# Altium PCB Tigershark 3D R2.2.PcbDoc (part 4 of 4)
Units mil, origin at the board's own origin, x right, y up, seen from the top; angles counter-clockwise.
Board outline 4100 x 4050 mil, 4 copper layers (Top Layer, Groun Plane, Power Plane, Bottom Layer), stack 61.73 mil thick; 356 components, 244 nets, 1149 pads, 846 vias.
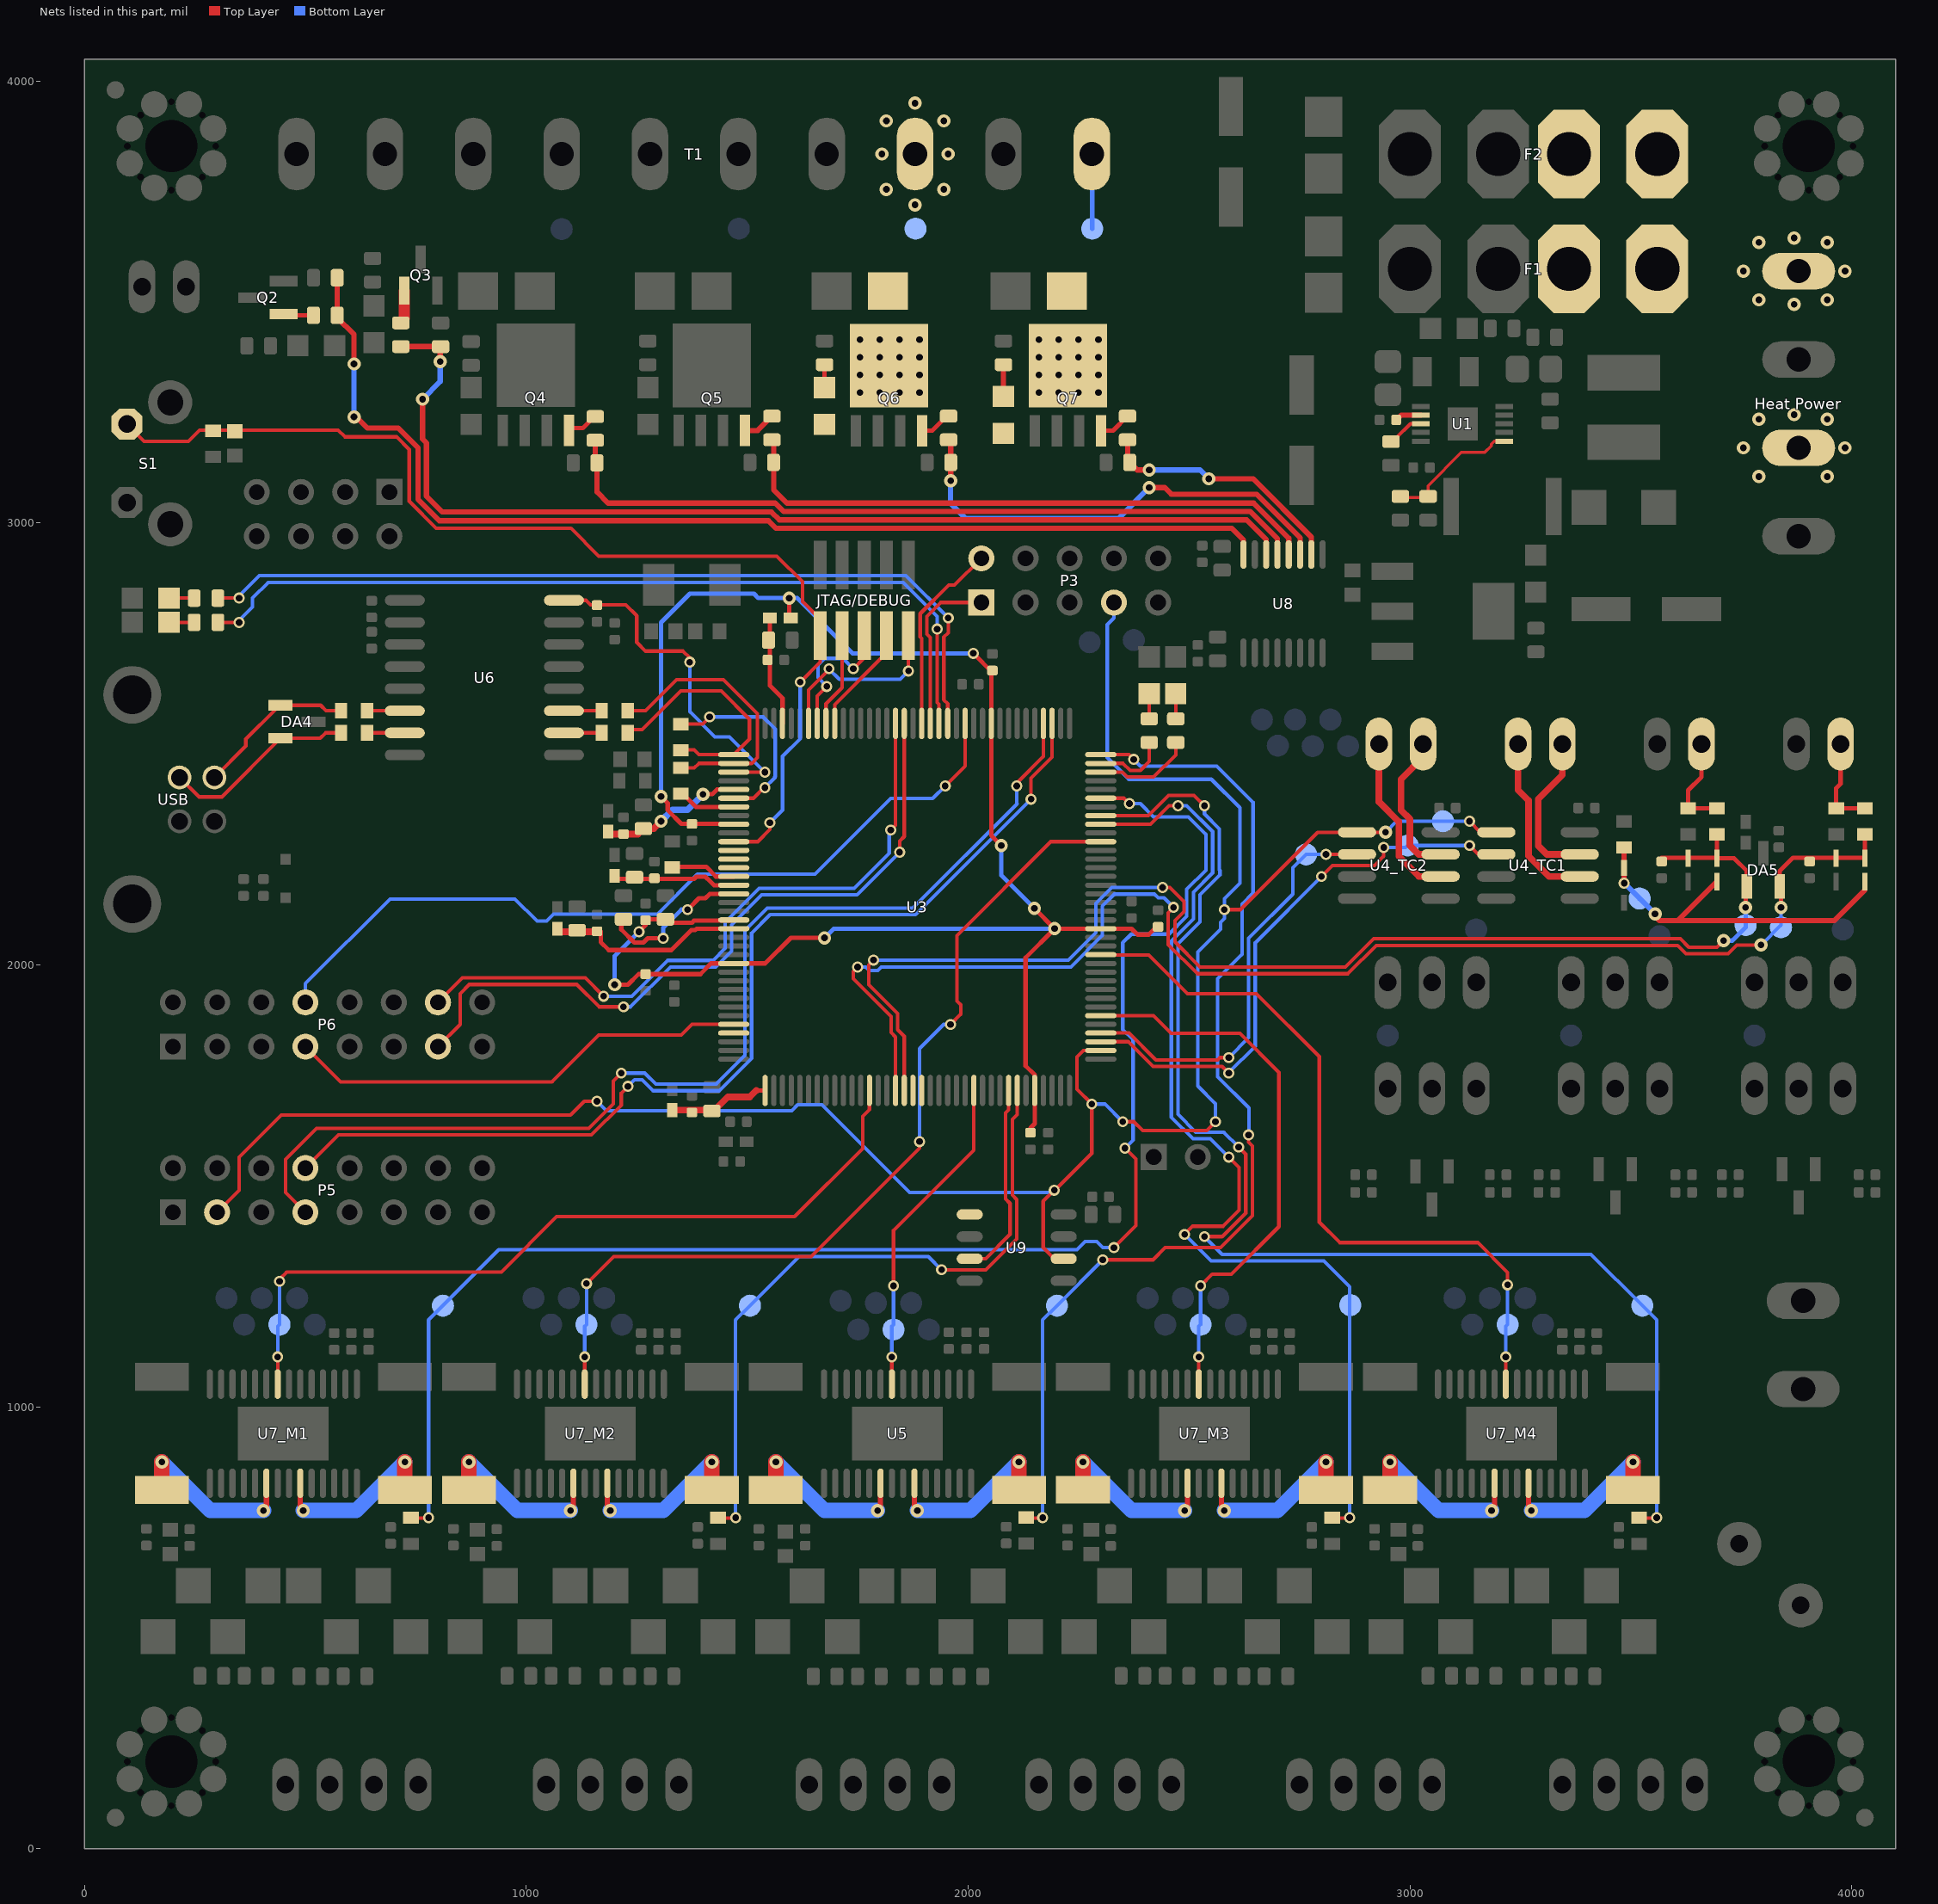
[diagram p6: the nets of this part, all layers, seen from the top]

## Via types
v1: diameter 30, hole 15, Top Layer to Bottom Layer, tented both sides, 526 vias
v2: diameter 25, hole 15, Top Layer to Bottom Layer, tented both sides, 172 vias
v3: diameter 19.68, hole 7.87, Top Layer to Bottom Layer, 75 vias
v4: diameter 25, hole 15, Top Layer to Bottom Layer, 61 vias
v5: diameter 30, hole 15, Top Layer to Bottom Layer, 9 vias
v6: diameter 45, hole 20, Top Layer to Bottom Layer, tented both sides, 2 vias
v7: diameter 25, hole 15, Top Layer to Bottom Layer, tented bottom, 1 vias

## Nets (pads, with @x,y where several pads share a name; then routed paths per layer and width w, separated by ;. In a path a pad name is that pad's centre, name@x,y a point inside that pad or via, vN(x,y) a via of type N, cw(c..) or ccw(c..) an arc to the next point about the centre after c; other vN are vias at no path point) (continued)
NetD16_A: D16.A R64.1 | length 51.9
  Top Layer w10: D16.A@1675,3306.34 R64.1@1675,3358.23
NetD16_C: D16.C D17.1 Q6.5 T1.8 TP13.1
  other v1: 1755,3295 1800,3295 1845,3295 1890,3295 1755,3335 1800,3335 1845,3335 1890,3335 1755,3375 1800,3375 1845,3375 1890,3375 1755,3415 1800,3415 1845,3415 1890,3415 1880,3720 1815,3755 1945,3755 1805,3835 1955,3835 1815,3910 1945,3910 1880,3950
NetD18_A: D18.A R68.1 | length 52
  Top Layer w12: D18.A@2080,3289.72 2080,3341.69
NetD18_C: D18.C D19.1 Q7.5 T1.10 TP14.1 | length 141.3
  Bottom Layer w10: TP14.1@2281,3666 T1.10@2281,3807.32
  other v1: 2160,3295 2205,3295 2250,3295 2295,3295 2160,3335 2205,3335 2250,3335 2295,3335 2160,3375 2205,3375 2250,3375 2295,3375 2160,3415 2205,3415 2250,3415 2295,3415
NetD24_A: D24.A R25.2 | length 56.9
  Top Layer w8: D24.A@191.34,2830 R25.2@248.23,2830
NetD29_A: D29.A R26.2 | length 56.9
  Top Layer w8: D29.A@191.34,2775 R26.2@248.23,2775
NetD30_A: D30.A R27.2 | length 56.9
  Top Layer w8: R27.2@2470,2556.77 D30.A@2470,2613.66
NetD31_A: D31.A R28.2 | length 56.9
  Top Layer w8: R28.2@2410,2556.77 D31.A@2410,2613.66
NetF1_1: "Heat Power.3" F1.1
  other v1: 3790,3105 3945,3105 3755,3170 3985,3170 3790,3235 3945,3235 3870,3245
NetF2_1: "Heat Power.1" F2.1
  other v1: 3870,3495 3790,3505 3945,3505 3755,3570 3985,3570 3790,3635 3945,3635 3870,3645
NetP2_TR1_1: P2_TR1.1 R14_TR1.2 R19_TR1.1 | length 214.6
  Top Layer w10: P2_TR1.1@3975,2500 3975,2410 3965,2400 R19_TR1.1@3965,2354.53 R14_TR1.2@4030,2354.53
NetP2_TR2_1: P2_TR2.1 R14_TR2.2 R19_TR2.1 | length 222.9
  Top Layer w10: P2_TR2.1@3660,2500 3660,2425 3630,2395 R19_TR2.1@3630,2354.53 R14_TR2.2@3695,2354.53
NetQ2_1: Q2.1 R45.2 | length 68.9
  Top Layer w10: Q2.1@450.43,3472.6 453.03,3470 R45.2@518.23,3470
NetQ3_1: Q3.1 R52.2 | length 73.2
  Top Layer w25: R52.2@716,3455.53 723.6,3463.13 Q3.1@723.6,3525.57
NetQ4_4: Q4.4 R58.2 | length 73.2
  Top Layer w10: Q4.4@1096.5,3209.66 1101.36,3214.53 1127.75,3214.53 R58.2@1156,3242.77
NetQ5_4: Q5.4 R62.2 | length 74.5
  Top Layer w12: Q5.4@1495,3209.28 1523.5,3209.28 R62.2@1556,3241.77
NetQ6_4: Q6.4 R66.2 | length 72.4
  Top Layer w10: Q6.4@1896,3208.85 1918.85,3208.85 R66.2@1953.89,3243.89
NetQ7_4: Q7.4 R70.2 | length 73.6
  Top Layer w10: Q7.4@2301,3208.85 2328.08,3208.85 R70.2@2361,3241.77
NetR4_1: R4.1 U3.51 | length 158.6
  Top Layer w10: R4.1@1320,2221.57 1407.47,2221.57 1429.04,2200 U3.51@1469.65,2200
NetR5_2: R5.2 U3.42 | length 454.8
  Top Layer w8: R5.2@1350,2545.16 1399.06,2545.16 v2(1415,2561.1) ; U3.42@1469.65,2377.17 1514.29,2377.17 v2@1540,2402.87
  Bottom Layer w8: v2(1415,2561.1) 1536.1,2561.1 1563.5,2533.7 1563.5,2426.37 1562.5,2425.37 1562.5,2423.6 v2(1540,2401.1)
NetR6_1: R6.1 U3.53 | length 352.5
  Top Layer w10: R6.1@1215,2093.23 1215,2080 1244.5,2050.5 1265.15,2050.5 1274.65,2060 v2(1310,2060) ; v2@1360,2120 1370,2120 1370,2129.65 1390.85,2150.5 1405.15,2150.5 1415.28,2160.63 U3.53@1469.65,2160.63
  Bottom Layer w10: v2(1310,2060) 1310,2084 1310.12,2084 1351.12,2125 v2(1365,2125)
NetR7_1: R7.1 U1.3 | length 76.4
  Top Layer w8: R7.1@2961.84,3192.14 2969.14,3192.14 3001.43,3224.43 U1.3@3024.83,3224.43
NetR10_2: R10.2 R12.1 U1.6 | length 291.8
  Top Layer w7: R12.1@2977.36,3057.6 R10.2@3033.45,3057.6 ; R10.2@3041,3065.15 3041,3084 3116.56,3159.56 3169.25,3159.56 3184.18,3174.49 3184.18,3178.18 3191.06,3185.06 U1.6@3213.8,3185.06
NetR17_1: R17.1 U1.2 | length 56.9
  Top Layer w12: R17.1@2971.68,3235.05 2980.73,3244.11 U1.2@3024.83,3244.11
NetR22_2: R22.2 U3.43 | length 129.5
  Top Layer w10: R22.2@1353.05,2388.52 1384.09,2357.48 U3.43@1469.65,2357.48
NetR32_M1_2: R32_M1.2 U7_M1.9 | length 404.1
  Top Layer w12: U7_M1.9@488.39,827.8 488.39,771.61 v1(495,765)
  Top Layer w35: R32_M1.2@725,812.05 v1(725,875)
  Bottom Layer w35: v1(495,765) 615,765 v1(725,875)
NetR32_M2_2: R32_M2.2 U7_M2.9 | length 404.1
  Top Layer w12: U7_M2.9@1183.39,827.8 1183.39,771.61 v1(1190,765)
  Top Layer w35: R32_M2.2@1420,812.05 v1(1420,875)
  Bottom Layer w35: v1(1190,765) 1310,765 v1(1420,875)
NetR32_M3_2: R32_M3.2 U7_M3.9 | length 404.1
  Top Layer w12: U7_M3.9@2573.39,827.8 2573.39,771.61 v1(2580,765)
  Top Layer w35: R32_M3.2@2810,812.05 v1(2810,875)
  Bottom Layer w35: v1(2580,765) 2700,765 v1(2810,875)
NetR32_M4_2: R32_M4.2 U7_M4.9 | length 404.1
  Top Layer w12: U7_M4.9@3268.39,827.8 3268.39,771.61 v1(3275,765)
  Top Layer w35: R32_M4.2@3505,812.05 v1(3505,875)
  Bottom Layer w35: v1(3275,765) 3395,765 v1(3505,875)
NetR33_M1_2: R33_M1.2 U7_M1.6 | length 404.1
  Top Layer w12: v1(405,765) 411.61,771.61 U7_M1.6@411.61,827.8
  Top Layer w35: R33_M1.2@175,812.05 v1(175,875)
  Bottom Layer w35: v1(175,875) 285,765 v1(405,765)
NetR33_M2_2: R33_M2.2 U7_M2.6 | length 404.1
  Top Layer w12: v1(1100,765) 1106.61,771.61 U7_M2.6@1106.61,827.8
  Top Layer w35: R33_M2.2@870,812.05 v1(870,875)
  Bottom Layer w35: v1(870,875) 980,765 v1(1100,765)
NetR33_M3_2: R33_M3.2 U7_M3.6 | length 404.1
  Top Layer w12: v1(2490,765) 2496.61,771.61 U7_M3.6@2496.61,827.8
  Top Layer w35: R33_M3.2@2260,812.05 v1(2260,875)
  Bottom Layer w35: v1(2260,875) 2370,765 v1(2490,765)
NetR33_M4_2: R33_M4.2 U7_M4.6 | length 404.1
  Top Layer w12: v1(3185,765) 3191.61,771.61 U7_M4.6@3191.61,827.8
  Top Layer w35: R33_M4.2@2955,812.05 v1(2955,875)
  Bottom Layer w35: v1(2955,875) 3065,765 v1(3185,765)
NetR38_2: R38.2 U5.9 | length 404.1
  Top Layer w12: U5.9@1878.42,827.76 1878.42,771.58 v1(1885.03,764.97)
  Top Layer w35: R38.2@2115.03,812.02 v1(2115.03,874.97)
  Bottom Layer w35: v1(1885.03,764.97) 2005.03,764.97 v1(2115.03,874.97)
NetR39_2: R39.2 U5.6 | length 404.1
  Top Layer w12: v1(1795.03,764.97) 1801.65,771.58 U5.6@1801.65,827.76
  Top Layer w35: R39.2@1565.03,812.02 v1(1565.03,874.97)
  Bottom Layer w35: v1(1565.03,874.97) 1675.03,764.97 v1(1795.03,764.97)
NetR45_1: R45.1 R46.1 U8.16 | length 2561
  Top Layer w12: R45.1@571.77,3465 610,3426.77 v1(610,3360) ; R45.1@571.77,3470 R46.1@571.77,3555 ; v1@605,3240 610,3235 620,3235 640,3215 710,3215 755,3170 755,3053.13 803.13,3005 1548.13,3005 1565.13,2988 2597,2988 2623.43,2961.57 U8.16@2623.43,2928.66
  Bottom Layer w12: v1(610,3240) v1(610,3360)
NetR52_1: R52.1 R55.1 U8.14 | length 2424.4
  Top Layer w12: R52.1@716,3399.23 R55.1@806,3399.23 805,3398.23 v1(805,3365) ; v1(765,3280) 765,3190 774,3181 774,3061 810,3025 1555,3025 1573,3007 2630.52,3007 2674.61,2962.91 U8.14@2674.61,2928.66
  Bottom Layer w12: v1(765,3280) 805,3320 v1(805,3365)
NetR58_1: R58.1 R59.1 U8.13 | length 1733.1
  Top Layer w12: R59.1@1156,3139.77 R58.1@1156,3187.23 ; R59.1@1159.77,3136 1160,3135.77 1160,3070 1185,3045 1563.13,3045 1582.13,3026 2638.39,3026 2700.2,2964.19 U8.13@2700.2,2928.66
NetR62_1: R62.1 R63.1 U8.12 | length 1357.5
  Top Layer w12: R62.1@1559.77,3184.46 R63.1@1559.77,3137 1559.77,3075.23 1590,3045 2646.26,3045 2725.8,2965.46 U8.12@2725.8,2928.66
NetR66_1: R66.1 R67.1 U8.11 | length 1051.6
  Top Layer w12: v1(1960.77,3095.77) R67.1@1960.77,3137 R66.1@1960.77,3183.46 ; v1@2420,3080 2445,3080 2460,3065 2653.13,3065 2751.39,2966.74 U8.11@2751.39,2928.66
  Bottom Layer w12: v1(1960.77,3095.77) 1960,3095 1960,3045 1995,3010 2340,3010 2405,3075 v1@2415,3075
  other v1: 2410,3080
NetR70_1: R70.1 R71.1 U8.10 | length 573.8
  Top Layer w12: R70.1@2361,3188.23 2361,3141.77 R71.1@2365.77,3137 2382.77,3120 v1(2410,3120) ; v1(2545,3100) 2645,3100 2776.98,2968.02 U8.10@2776.98,2928.66
  Bottom Layer w12: v1(2410,3120) 2525,3120 v1(2545,3100)
NetT2_TC1_1: T2_TC1.1 U4_TC1.3 | length 355.1
  Top Layer w15: T2_TC1.1@3345,2500 3345,2429.49 3290.51,2375 3290.51,2269.49 3310,2250 U4_TC1.3@3384.49,2250
NetT2_TC1_2: T2_TC1.2 U4_TC1.2 | length 398.5
  Top Layer w15: T2_TC1.2@3245,2500 3245,2395.51 3268.51,2372 3268.51,2246.49 3315,2200 U4_TC1.2@3384.49,2200
NetT2_TC2_1: T2_TC2.1 U4_TC2.3 | length 336.8
  Top Layer w15: T2_TC2.1@3030,2500 3030,2470 2980,2420 2980,2350 3000,2330 3000,2270 3020,2250 U4_TC2.3@3069.49,2250
NetT2_TC2_2: T2_TC2.2 U4_TC2.2 | length 386.5
  Top Layer w15: T2_TC2.2@2930,2500 2930,2368.89 2975,2323.89 2975,2245.51 3020.51,2200 U4_TC2.2@3069.49,2200
NRST: U3.69
OVREF: D1.2 D3_TR1.2 D3_TR2.2 R1.1 TP2.1 | length 828.2
  Top Layer w12: v2(3485,2185) D1.2@3485,2219.37 R1.1@3485,2260 ; v1(3555,2115) 3555,2110 3565,2100 3960,2100 4030,2170 D3_TR1.2@4030,2188.43 ; 3608.29,2101.71 D3_TR2.2@3695,2188.43
  Bottom Layer w12: v2(3485,2185) TP2.1@3520,2150 v1(3555,2115)
R_N: DA4.1 R18.2 USB.2 | length 368.4
  Top Layer w8: USB.2@294,2424.15 365,2495.15 365,2510.84 433.66,2579.5 435.58,2579.5 DA4.1@443.48,2587.4 534.39,2587.4 546.8,2575 R18.2@580.47,2575
R_P: DA4.2 R20.2 USB.3 | length 443.8
  Top Layer w8: USB.3@215,2424.15 259.15,2380 310.88,2380 DA4.2@443.48,2512.6 533.48,2512.6 545.88,2525 R20.2@580.47,2525
REF1: R31_M1.2 TP33_M1.1 U3.139 | length 3508.7
  Top Layer w8: R31_M1.2@738.74,748.27 778.27,748.27 v4(778.74,748.74) ; U3.139@2300.35,2377.17 2352.83,2377.17 v2(2365,2365) ; v4@2325,1355 2380,1410 2380,1530.39 2379.47,1530.92 2379.47,1560.53 v4(2355,1585)
  Bottom Layer w8: v4(778.74,748.74) 778.74,1196.26 937.48,1355 2246.77,1355 2265.27,1373.5 2291.5,1373.5 2305,1360 v4(2330,1360) ; v4(2355,1585) 2373.5,1603.5 2373.5,1830.29 2350,1853.79 2350,2050 2369.5,2069.5 2454.5,2069.5 2495,2110 2495,2170.92 2538.5,2214.42 2538.5,2295.29 2498.79,2335 2420,2335 2390,2365 v2(2365,2365)
REF2: R31_M2.2 TP33_M2.1 U3.102 | length 1569.5
  Top Layer w8: R31_M2.2@1433.74,748.27 1473.27,748.27 v4(1473.74,748.74) ; v7(1940,1310) 2040,1310 2110,1380 2110,1468.79 2100,1478.79 2100,1650 2111.38,1661.38 U3.102@2111.38,1715.75
  Bottom Layer w8: v4(1473.74,748.74) 1473.74,1196.26 ; 1473.78,1196.26 TP33_M2.1@1506.26,1228.74 1617.52,1340 1910,1340 v7(1940,1310)
REF3: R31_M3.2 TP33_M3.1 U3.136 | length 2408.7
  Top Layer w8: U3.136@2300.35,2318.11 2413.11,2318.11 2455,2360 v2(2475,2360) ; v4(2490,1390) 2508.5,1408.5 2577.29,1408.5 2613.5,1444.71 2613.5,1541.5 v4(2590,1565) ; R31_M3.2@2823.74,748.27 2863.27,748.27 v4(2863.74,748.74)
  Bottom Layer w8: v2(2475,2360) 2495,2360 2553.5,2301.5 2553.5,2208.21 2510,2164.71 2510,2103.79 2460,2053.79 2460,1655.55 2509.05,1606.5 2548.5,1606.5 v4(2590,1565) ; v4(2490,1390) 2550,1330 2805,1330 2863.74,1271.26 v4(2863.74,748.74)
REF4: R31_M4.2 TP33_M4.1 U3.137 | length 3044.7
  Top Layer w8: U3.137@2300.35,2337.8 2407.8,2337.8 2453.5,2383.5 2511.5,2383.5 v2(2535,2360) ; v4(2535,1385) 2575,1385 2628.5,1438.5 2628.5,1571.75 v4(2612.63,1587.63) ; R31_M4.2@3518.74,748.27 3558.27,748.27 v4(3558.74,748.74)
  Bottom Layer w8: v4(2535,1385) 2575,1345 3410,1345 TP33_M4.1@3526.26,1228.74 3558.74,1196.26 v4(3558.74,748.74) ; v2(2535,2360) 2535,2341.21 2568.5,2307.71 2568.5,2214.99 2570,2213.49 2570,2203.49 2525,2158.49 2525,2097.57 2475,2047.57 2475,1661.77 2515.27,1621.5 2578.75,1621.5 v4(2612.63,1587.63)
REF_EXP1: P6.13 U3.20 | length 1640.6
  Top Layer w8: P6.13@800,1815 850,1865 850,1935 870.53,1955.53 1114.47,1955.53 1165,1905 v2(1220,1905) ; v2(1845,2255) 1845,2280 1855.47,2290.47 U3.20@1855.47,2546.46
  Bottom Layer w8: v2(1220,1905) 1236.21,1905 1326.21,1995 1428.79,1995 1465,2031.21 1465,2090.41 1533.09,2158.5 1748.5,2158.5 v2(1845,2255)
REF_EXP2: P6.14 U3.21 | length 1530.1
  Top Layer w8: P6.14@800,1915 855.53,1970.53 1133.47,1970.53 v2(1175,1929) ; v2(1825,2305) 1835.79,2315.79 U3.21@1835.79,2546.46
  Bottom Layer w8: v2(1175,1929) 1239,1929 1320,2010 1422.57,2010 1450,2037.43 1450,2096.62 1526.88,2173.5 1742.29,2173.5 1821.5,2252.71 1821.5,2301.5 v2(1825,2305)
REF_Z: R37.2 TP15.1 U3.144 | length 2451.1
  Top Layer w8: R37.2@2128.77,748.24 2168.3,748.24 v4(2168.77,748.71) ; U3.144@2300.35,2475.59 2364.41,2475.59 v2(2375,2465) ; v4(2305,1332.48) 2418.79,1332.48 2446.31,1360 2571.21,1360 2643.5,1432.29 2643.5,1589.99 2635,1598.49 v2(2635,1615)
  Bottom Layer w8: v4(2168.77,748.71) 2168.77,1196.23 ; 2168.78,1196.26 TP15.1@2201.26,1228.74 v4(2305,1332.48) ; v2(2375,2465) 2390,2450 2563.09,2450 2645,2368.09 2645,2162.57 2620,2137.57 2620,2023.79 2565,1968.79 2565,1746.77 2635.61,1676.16 v2@2635.61,1615
RESET: C63.2 JTAG/DEBUG.10 R21.1 S1.1 U3.47 | length 2483.5
  Top Layer w8: S1.1@96,3224 135,3185 235,3185 260,3210 574.09,3210 589.09,3195 705.96,3195 735,3165.96 735,3049.09 796.09,2988 1101.09,2988 1164.09,2925 1567,2925 1625,2867 1625,2822.11 1665,2782.11 JTAG/DEBUG.10@1665,2745.08 1665,2685 v2(1620,2640) ; U3.47@1469.65,2278.74 1523.74,2278.74 1551.19,2306.19 v2(1551.19,2321.6)
  Bottom Layer w8: v2(1551.19,2321.6) 1580,2350.41 1580,2472.2 1620,2512.2 v2(1620,2640)
RXD0: P5.8 U3.3 | length 2382.1
  Top Layer w8: P5.8@500,1540 575,1615 1147.57,1615 1215,1682.43 1215,1710 v2(1230,1725) ; v2(2142.43,2375) 2142.43,2422.43 2190.12,2470.12 U3.3@2190.12,2546.46
  Bottom Layer w8: v2(1230,1725) 1245,1740 1262.02,1740 1287.02,1715 1436.21,1715 1510,1788.79 1510,2071.77 1551.73,2113.5 1880.93,2113.5 v2(2142.43,2375)
RXD1: P3.2 U3.18 | length 440
  Top Layer w8: U3.18@1894.84,2546.46 1894.84,2738.94 1891.5,2742.29 1891.5,2794.73 1956,2859.23 1969.23,2859.23 P3.2@2030,2920
SCLK: P3.7 P5.3 TP6.1 U3.110 U4_TC1.5 U4_TC2.5 U9.6 | length 5242.7
  Top Layer w8: P5.3@300,1440 350,1490 350,1565 445,1660 1100,1660 1131.21,1691.21 v2(1160,1691.21) ; U9.6@2216.3,1335 2195,1335 2170,1360 2170,1465 v2(2195,1490) 2196.21,1490 2280,1573.79 v2(2280,1685) 2246.39,1718.61 2246.39,1791.39 2261.3,1806.3 U3.110@2300.35,1806.3 ; v2(2350,1645) 2375,1645 2395,1625 2540,1625 v2(2560,1645) ; v2(2580,2125) 2616.07,2125 2791.07,2300 U4_TC2.5@2880.51,2300 v1(2945,2300) ; v2(3135,2325) 3160,2300 U4_TC1.5@3195.51,2300
  Bottom Layer w8: v2(1160,1691.21) 1181.21,1670 1600.55,1670 1614.05,1683.5 1669.07,1683.5 1867.57,1485 2190,1485 v2(2195,1490) ; v2(2280,1685) 2310,1685 v2(2350,1645) ; P3.7@2330,2820 2330,2785 2315,2770 2315,2468.79 2363.79,2420 2550.66,2420 2615,2355.66 2615,2184.85 2580,2149.85 v2(2580,2125) 2580,2105 2571.5,2096.5 2571.5,2080.43 2520,2028.93 2520,1725.81 2560,1685.81 v2(2560,1645) ; v1(2945,2300) 2970,2325 v2(3135,2325)
SHDN: U3.50
SPIFLASH_CS: U9.1
STATUS_A: R27.1 U3.142 | length 223.2
  Top Layer w8: U3.142@2300.35,2436.22 2349.33,2436.22 2360.55,2425 2420,2425 2470,2475 R27.1@2470,2503.23
STATUS_B: R28.1 U3.143 | length 167.7
  Top Layer w8: U3.143@2300.35,2455.91 2350.86,2455.91 2366.77,2440 2390,2440 2410,2460 R28.1@2410,2503.23
STEP1: TP40_M1.1 U3.85 U7_M1.22 | length 1811
  Top Layer w8: U7_M1.22@437.2,1052.2 v2(437.2,1112.64) ; v2(441.26,1283.74) 441.26,1288.69 457.57,1305 943.64,1305 1068.64,1430 1607.28,1430 1761.5,1584.22 1761.5,1657.16 1776.73,1672.39 U3.85@1776.73,1715.75
  Bottom Layer w8: v2@437,1112.84 v2(437.2,1112.64) 437.2,1181.75 TP40_M1.1@441.23,1185.77 v2@441.23,1275.77
STEP2: TP40_M2.1 U3.134 U7_M2.22 | length 2052.2
  Top Layer w8: U7_M2.22@1132.2,1052.2 v2(1132.2,1112.64) ; v2(1136.26,1278.74) 1197.52,1340 1645,1340 1890,1585 v2(1890,1600) ; v2(1960,1865) 1983.5,1888.5 1983.5,1909.73 1975,1918.23 1975,2066.36 2187.38,2278.74 U3.134@2300.35,2278.74
  Bottom Layer w8: v2@1132,1112.84 v2(1132.2,1112.64) 1132.2,1181.75 TP40_M2.1@1136.23,1185.77 v2@1136.23,1275.77 ; v2(1890,1600) 1890,1810.55 1944.45,1865 v2(1960,1865)
STEP3: TP40_M3.1 U3.114 U7_M3.22 | length 1265.3
  Top Layer w8: U3.114@2301.42,1886.1 U3.114@2300.35,1885.04 2419.41,1885.04 2459.45,1845 2615.29,1845 2703.5,1756.79 2703.5,1407.43 2596.07,1300 2552.52,1300 v4(2526.26,1273.74) ; U7_M3.22@2522.2,1052.2 v4(2522.2,1112.64)
  Bottom Layer w8: v4@2522,1112.84 v4(2522.2,1112.64) 2522.2,1181.75 TP40_M3.1@2526.23,1185.77 v4@2526.23,1275.77
STEP4: TP40_M4.1 U3.121 U7_M4.22 | length 1691.9
  Top Layer w8: U3.121@2300.35,2022.83 2300.69,2022.5 2409.23,2022.5 2496.73,1935 2652.57,1935 2795,1792.57 2795,1417.57 2841.07,1371.5 3153.5,1371.5 3221.23,1303.77 v4(3221.23,1275.77) ; U7_M4.22@3217.2,1052.2 v4(3217.2,1112.64)
  Bottom Layer w8: v4@3217,1112.84 v4(3217.2,1112.64) 3217.2,1181.75 TP40_M4.1@3221.23,1185.77 v4(3221.23,1275.77)
STEP_EXP1: P6.7 U3.68 | length 1056.8
  Top Layer w8: P6.7@500,1815 580,1735 1058.13,1735 1164.11,1840.98 1350.98,1840.98 1375.35,1865.35 U3.68@1469.65,1865.35
STEP_EXP2: P6.8 U3.13 | length 1877.7
  Top Layer w8: v2(1948.23,2405) 1993.27,2450.03 U3.13@1993.27,2546.46
  Bottom Layer w8: P6.8@500,1915 500,1957.57 691.43,2149 974.23,2149 1024.23,2099 1045.77,2099 1061.77,2115 1297.28,2115 1387.28,2205 1653.64,2205 1825.14,2376.5 1919.73,2376.5 v2(1948.23,2405)
STEP_Z: TP21.1 U3.97 U5.22 | length 740.5
  Top Layer w8: U5.22@1827.24,1052.17 v4(1827.24,1112.61) ; v4(1831.26,1273.74) 1831.26,1398.98 2012.95,1580.67 U3.97@2012.95,1715.75
  Bottom Layer w8: v4(1827.24,1112.61) 1827.24,1181.72 1831.26,1185.74 v4(1831.26,1273.74)
TC_CS1: TP4.1 U3.111 U4_TC1.6 | length 1295.4
  Top Layer w8: U3.111@2300.35,1825.98 2362.8,1825.98 2418.79,1770 2575,1770 v2(2590,1755) ; v2(2800,2200) 2825,2225 2920,2225 2940.79,2245.79 v2(2940.79,2265.5) ; v2(3135,2270) 3155,2250 U4_TC1.6@3195.51,2250